# KiCad board Entrex Trapezoid Processor Board v37.kicad_pcb (continued)
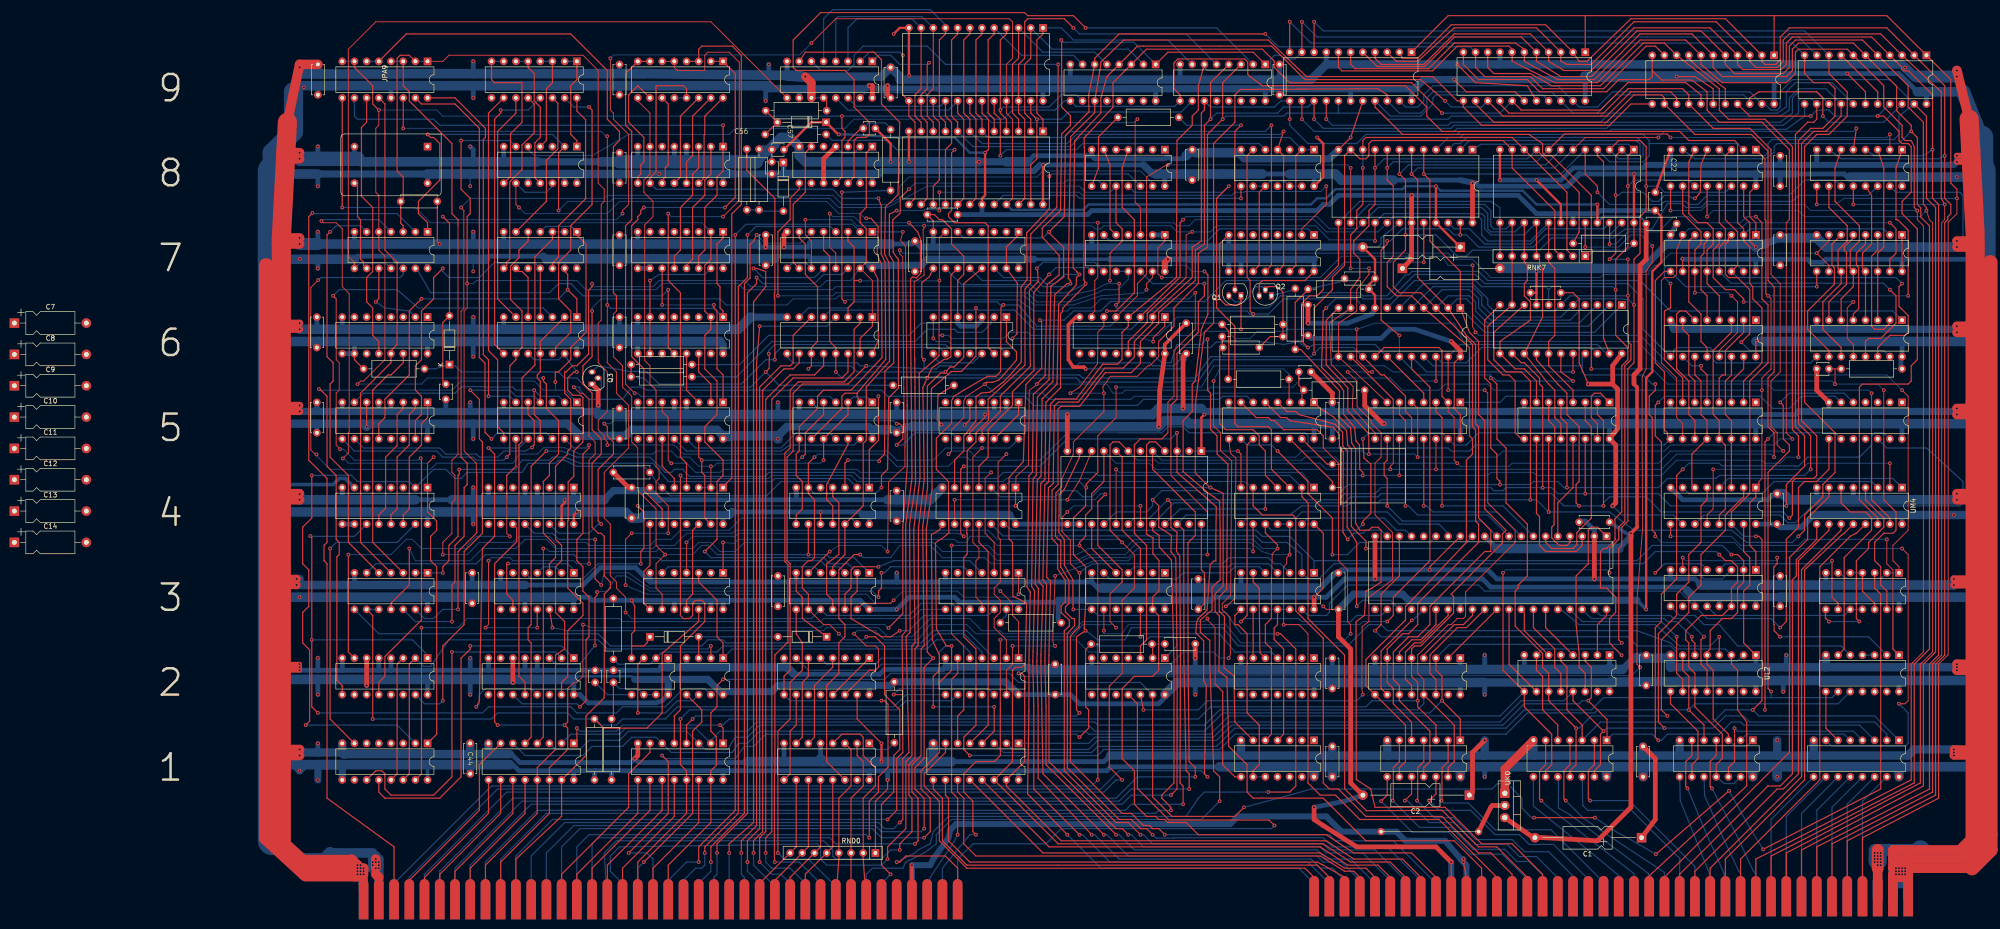
[diagram p0: board, top side]
## Routing (per net, layer and track width the routed paths; a pad name or vN(x,y) marks a point on that pad's centre or on a via; arc(x,y) is an arc through that point) (continued)
  Bottom w0.25: v1(265.82,188.28) 270.27,183.83 370.6,183.83 UM9.11 ; UF4.16 229.63,86.04 235.98,86.04 237.25,87.31 v1(237.25,88.58) 239.15,90.49 246.77,90.49 247.41,89.85 275.99,89.85 277.89,91.76 v1(309.64,91.76) 315.99,91.76 316.62,92.39 321.7,92.39 322.98,91.12 v1(323.61,91.12) 342.66,91.12 344.56,93.03 354.73,93.03 355.36,93.66 373.14,93.66 v1(374.41,94.93) ; J17.16 95.01,12.38 107.71,25.08 230.9,25.08 232.81,26.99 v1(241.06,26.99)
J17_17: length 249.2
  Top w0.2: UD6.1 178.83,134.3 UD7.15
  Top w0.25: UD6.1 178.83,124.78 176.29,122.24 UD6.15 ; UD7.15 177.56,138.11 177.56,145.1 176.29,146.37 176.29,148.27 177.56,149.54 177.56,160.97 UD8.1 ; J17.17 98.19,12.38 108.98,23.18 UB1.13 108.98,32.7 112.79,36.51 112.79,56.2 114.69,57.47 114.69,63.18 112.79,65.09 112.79,74.61 114.06,75.88 114.06,79.06 112.79,80.33 112.79,95.57 115.33,98.11 115.33,98.74 115.97,99.38 115.97,109.54 114.69,110.81 114.69,115.25 115.02,115.25 116.29,116.52 117.24,116.52 119.69,118.97 119.69,132.31 120.41,133.03 v1(120.41,133.67)
  Bottom w0.2: v1(120.41,133.67) 121.04,133.03 133.11,133.03 134.38,134.3 152.16,134.3 153.43,133.03 168.03,133.03 169.31,134.3 174.38,134.3 175.66,136.21 UD7.15
J17_18: length 613.9
  Top w0.25: UJ9.13 v1(268.37,167.96) ; v1(240.43,88.58) 241.06,87.95 241.06,82.87 242.33,81.78 242.22,77.88 242.91,76.81 243.05,54.96 242.96,29.53 243.6,28.89 v1(243.6,25.08) ; v1(369.33,87.31) 369.33,91.76 373.14,95.57 373.14,95.57 373.14,101.92 371.24,103.82 371.24,164.78 373.77,167.32 375.05,167.32 375.68,167.96 UM9.13 ; UK5.14 v1(327.42,89.85) ; UK6.13 314.08,117.16 314.72,117.16 317.89,113.98 317.89,112.71 318.53,112.08 318.53,108.27 318.55,108.25 v1(318.55,91.09)
  Bottom w0.25: J17.18 98.19,13.02 108.98,23.81 231.54,23.81 232.81,25.08 v1(243.6,25.08) ; UM9.13 374.56,172.26 372.36,172.26 371.87,171.77 371.87,169.23 368.69,166.69 332.5,166.69 331.87,166.05 300.75,166.05 300.12,165.42 270.9,165.42 v1(268.37,167.96) ; v1(369.33,87.31) 345.2,87.31 342.66,89.85 v1(327.42,89.85) 321.7,89.85 320.44,91.12 310.91,91.12 310.27,90.49 308.37,90.49 307.74,91.12 284.88,91.12 283.61,89.85 277.25,89.85 275.99,88.58 v1(240.43,88.58) 236.62,84.77 233.44,84.77 UF4.18
J17_19: length 279
  Top w0.2: v1(118.5,62.55) 118.5,51.75 117.24,50.48 116.6,50.48 115.33,49.21 ; 186.08,109.29 185.94,120.87 185.72,141.48 184.71,142.68 v1(185.18,144.46)
  Top w0.25: 186.08,109.29 186.08,108.32 186.09,108.12 186.12,95.74 185.18,82.87 185.18,64.84 v1(182.19,61.85) ; v1(100.72,41.59) 100.09,42.23 100.09,75.25 104.7,79.86 104.7,82.7 UB4.11 ; J17.19 101.36,13.02 111.52,23.18 UB1.14 111.52,32.7 115.33,36.51 115.33,40.96 v1(114.69,41.59) 115.33,42.23 115.33,49.21
  Bottom w0.2: 182,61.91 181.37,62.55 168.67,62.55 168.03,61.91 120.41,61.91 v1(118.5,62.55)
  Bottom w0.25: UD7.1 v1(185.18,144.46) ; v1(100.72,41.59) v1(114.69,41.59)
J17_20: length 628
  Top w0.25: v1(331.23,87.31) 331.23,105.09 329.96,106.36 UK5.2 ; v1(369.96,84.77) 370.6,85.41 370.6,92.39 371.24,93.03 375.05,93.03 375.68,93.66 375.68,101.92 372.5,105.09 372.5,162.88 375.05,165.42 377.58,165.42 380.76,168.59 UM9.15 ; UF4.20 237.25,82.15 237.92,81.62 238.59,81.18 238.64,78.73 241.17,75.99 241.7,54.81 241.69,29.53 239.15,26.99 239.15,26.35 241.06,24.45 v1(241.06,23.81) ; v1(326.15,87.31) 325.51,87.95 325.51,91.76 326.15,92.39 326.15,103.82 323.61,106.36 323.61,110.81 321.7,112.71 317.26,117.79 UK6.15 ; 273.44,171.77 v1(273.44,167.96)
  Bottom w0.25: v1(241.06,23.81) 238.52,23.81 237.88,23.18 110.88,23.18 101.36,13.65 J17.20 ; v1(273.44,167.96) 274.71,166.69 298.85,166.69 299.48,167.32 330.6,167.32 331.87,168.59 368.06,168.59 369.96,169.86 369.96,172.4 371.87,174.31 377.58,174.31 UM9.15 ; v1(369.96,84.77) 368.69,86.04 343.3,86.04 340.12,89.22 332.5,89.22 331.23,87.95 v1(331.23,87.31) v1(326.15,87.31) 322.98,87.31 320.44,89.85 284.88,89.85 284.24,89.22 278.52,89.22 277.25,87.95 241.69,87.95 UF4.20
J17_21: length 260.7
  Top w0.2: 237.25,136.21 237.25,134.94 235.98,133.67 v1(235.98,132.4)
  Top w0.25: J17.21 104.53,13.65 114.04,22.56 114.06,22.58 UB1.15 119.14,35.24 119.14,43.5 122.95,47.31 122.95,68.9 124.22,70.17 124.22,71.44 122.95,72.71 122.95,80.96 122.31,81.6 121.68,81.6 120.41,82.87 120.41,96.2 122.31,98.11 122.31,101.28 120.41,103.19 120.41,110.81 118.5,112.71 118.5,116.52 120.41,118.43 v1(120.41,127.95)
  Bottom w0.2: v1(235.98,132.4) 235.35,131.76 226.45,131.13 220.74,129.22 212.49,129.22 210.58,131.13 171.84,131.13 171.21,130.49 162.32,130.49 161.05,129.22 148.35,129.22 147.08,130.49 122.31,130.49 120.41,128.59 v1(120.41,127.95)
J17_22: length 474.7
  Top w0.2: UD7.13 171.21,140.02 169.94,141.29 v1(169.94,148.27) ; UF6.7 224.55,127.32 225.19,127.95 225.19,134.3 225.82,134.94 v1(225.82,146.37)
  Top w0.25: 185.18,47.94 v1(183.28,47.94) ; 185.18,47.94 185.18,35.88 183.91,34.61 183.91,23.81 v1(182,21.91) ; 185.18,47.94 185.03,60.23 185.84,61.24 185.78,83.38 187.09,93.03 186.97,107.6 186.88,116.95 186.83,120.4 186.83,120.85 186.79,134.63 187.17,135.04 187.99,134.88 188.9,135.8 188.9,135.92 188.86,136.26 188.85,141.18 188.87,143 188.29,144.42 186.5,146.37 v1(186.45,146.37) ; UK5.4 324.88,111.44 319.8,116.52 UK6.16 319.8,121.6 321.07,122.87 321.07,136.84 319.8,138.11 RNK7.4 UK8.17
  Bottom w0.2: UJ8.17 284.24,144.46 273.44,144.46 270.9,147 246.14,147 244.87,145.73 242.33,145.73 241.69,146.37 v1(225.82,146.37) v1(186.45,146.37) 176.29,146.37 175.02,147.64 170.57,147.64 v1(169.94,148.27)
  Bottom w0.25: UJ8.17 287.42,147.64 305.19,147.64 305.83,147 305.83,143.83 307.1,142.56 315.99,142.56 319.8,146.37 UK8.17 ; UE2.12 202.96,49.21 184.54,49.21 v1(183.28,47.94) ; J17.22 104.53,14.29 112.16,21.91 v1(182,21.91)
J17_24: length 479.4
  Top w0.2: 244.24,134.94 244.24,143.83 v1(245.5,144.46) ; v1(189.62,145.73) 189.62,145.22 189.4,144.93 189.62,135.47 188.28,134.46 187.55,134.09 187.65,118.3 ; UD7.11 166.13,142.56 164.86,143.83 v1(164.86,147)
  Top w0.25: UF6.13 232.17,121.6 236.12,125.56 236.12,127.46 244.24,134.94 ; v1(184.54,21.27) 185.18,21.91 185.18,34.61 186.45,35.88 185.88,59.28 185.87,60.07 186.71,60.95 186.6,83.55 187.83,92.18 187.72,112.07 187.67,117.84 187.67,118.28 ; UJ8.16 v1(283.61,142.56) ; UK5.12 322.34,104.46 321.07,105.73 321.07,111.44 319.8,112.71 UK6.14 318.53,126.68 318.53,136.84 317.89,137.48 317.89,138.75 RNK7.5 UK8.16
  Bottom w0.2: v1(283.61,142.56) 283.37,142.79 274.14,142.79 271.2,145.73 250.58,145.73 249.31,144.46 v1(245.5,144.46) 242.33,144.46 241.06,145.73 227.09,145.73 226.45,145.1 225.19,145.1 224.55,145.73 v1(189.62,145.73) 175.66,145.73 174.38,147 v1(164.86,147)
  Bottom w0.25: v1(184.54,21.27) 183.28,20 181.37,20 180.1,21.27 114.69,21.27 107.71,14.29 J17.24 ; UK8.16 314.72,143.83 307.74,143.83 306.46,145.1 306.46,147.64 305.83,148.27 285.51,148.27 UJ8.16 ; UD7.11 165.01,137.97 162.18,137.97 UD7.9
J17_26: length 452.6
  Top w0.25: v1(189.62,20) 189.62,26.35 187.72,28.26 187.72,32.7 189.62,34.61 189.62,53.66 v1(191.53,55.56) 190.26,56.83 190.07,82.41 191.28,90.82 191.11,111.18 191.19,111.8 195.21,115.25 195.3,115.34 197.41,115.34 198.51,116.52 200.42,118.54 v1(200.42,128.59) ; UK8.15 RNK7.6 314.72,138.11 315.36,137.48 315.36,134.3 314.72,133.67 314.72,131.13 315.99,129.86 315.99,126.05 309.64,121.6 UK6.12 312.81,115.89 314.72,115.89 317.26,113.35 UK5.7 ; UF6.3 234.71,126.82 235.91,128.02 235.95,128.02 242.96,135.03 242.96,146.37 v1(243.6,147)
  Bottom w0.2: v1(243.6,147) 244.24,147.64 271.54,147.64 274.08,145.1 279.8,145.1 UJ8.15
  Bottom w0.25: UD2.5 169.31,54.29 179.47,54.29 180.74,55.56 v1(191.53,55.56) ; UJ8.15 284.24,149.54 305.83,149.54 307.1,148.27 307.1,145.1 307.74,144.46 312.81,144.46 UK8.15 ; UD6.5 170.12,128.14 199.97,128.14 v1(200.42,128.59) 200.87,128.14 208.49,128.14 212.49,124.14 232.81,124.14 234.71,126.05 UF6.3 ; J17.26 110.88,14.92 116.6,20.64 179.47,20.64 180.74,19.37 188.99,19.37 v1(189.62,20)
J17_27: length 40.6
  Top w0.25: J17.27 114.06,10.48 128.03,24.45 128.03,31.43 132.47,35.88 UC1.7
J17_28: length 502.4
  Top w0.2: v1(278.52,157.8) 278.52,146.37 ; v1(240.43,158.43) 240.14,158.43 235.98,155.89 235.98,135.57 234.07,133.67 234.07,131.13 UF6.5
  Top w0.25: 194.71,84.78 194.71,92.39 192.16,94.93 192.16,101.41 195.34,104.58 195.34,109.22 195.79,110.14 197.88,111.44 202.88,114.36 204.56,114.31 205.55,115.28 205.65,128.73 v1(206.13,129.22) ; UK5.9 314.08,101.28 312.81,102.55 312.81,113.35 311.55,114.62 310.27,114.62 307.1,117.79 307.1,124.78 UK6.10 RNK7.7 UK8.14 ; v1(189.62,18.1) 190.9,19.37 190.9,26.35 188.99,28.26 188.99,32.07 192.8,35.88 192.8,50.48 195.34,53.02 v1(195.34,58.1) 194.26,58.1 192.18,61.64 191.98,79.6 192.62,80.09 193.14,80.35 194.8,81.64 194.69,84.77
  Bottom w0.2: v1(240.43,158.43) 277.89,158.43 v1(278.52,157.8)
  Bottom w0.25: 278.52,146.37 282.33,150.18 306.46,150.18 307.74,148.91 307.74,145.73 308.37,145.1 310.91,145.1 UK8.14 ; v1(195.34,58.1) 194.07,58.1 192.8,56.83 192.8,54.29 180.74,54.29 179.47,53.02 165.5,53.02 162.96,55.56 ; v1(189.62,18.1) 180.74,18.1 178.83,20 117.87,20 114.06,16.19 J17.28 ; UD6.7 165.5,128.59 173.75,128.59 175.02,129.86 204.87,129.86 205.5,129.22 v1(206.13,129.22) 209.31,129.22 212.49,125.41 213.12,124.78 228.36,124.78 229.63,126.05 UF6.5
J17_29: length 30.7
  Top w0.25: J17.29 117.24,10.48 129.94,23.18 UC1.9
J17_30: length 452.3
  Top w0.25: v1(189.62,117.79) 189.62,117.8 189.13,118.29 189.13,133.86 190.72,135.09 UE7.9 ; UJ5.4 293.76,110.81 UJ6.16 ; UD2.9 160.41,51.75 161.69,53.02 161.69,75.25 161.05,75.88 161.05,97.47 162.32,98.74 162.32,110.81 164.22,112.71 173.75,112.71 v1(177.56,116.52) ; UK8.13 RNK7.8 ; v1(178.19,18.1) 178.19,25.72 180.1,27.62 180.1,30.8 182.09,32.79 182.09,45.95 181.37,46.67 v1(180.74,46.67) ; v1(269.63,120.33) 268.37,121.6 268.37,129.54 269.95,131.13 271.54,131.13 272.81,132.4 272.81,134.3 275.99,137.48 UJ8.13
  Bottom w0.25: UJ8.13 280.43,150.81 307.74,150.81 309.64,149.54 UK8.13 ; UD2.9 161.69,46.67 v1(180.74,46.67) ; UJ6.16 283.61,120.97 270.9,120.97 v1(269.63,120.33) 268.37,120.97 267.73,121.6 264.56,120.97 260.64,121.49 250.48,121.49 249.31,120.33 243.6,120.33 242.96,119.7 242.96,117.79 241.69,116.52 237.25,116.52 236.62,117.16 222.01,117.16 220.74,115.89 195.97,115.89 195.34,116.52 192.8,116.52 192.16,115.89 189.62,115.89 v1(189.62,117.79) ; 190.26,115.89 v1(177.56,116.52) 176.29,116.52 175.66,117.16 162.32,117.16 161.05,118.43 UD6.9 ; J17.30 117.24,16.19 119.78,18.73 177.56,18.73 v1(178.19,18.1)
J17_31: length 30.4
  Top w0.25: UC1.10 132.47,23.81 120.41,11.75 J17.31
J17_32: length 492
  Top w0.25: RNK7.3 321.07,140.65 321.07,148.91 312.18,157.8 UK8.11 310.27,163.51 282.97,163.51 282.33,162.88 282.33,160.34 281.7,159.7 280.43,159.7 278.52,161.61 277.25,160.34 277.25,137.48 274.71,134.94 274.71,132.4 270.9,128.59 v1(270.9,119.06) ; UJ6.14 284.88,114.62 285.51,114.62 289.95,110.17 289.95,107 291.23,105.73 UJ5.12 ; UD7.7 163.59,143.19 164.86,141.92 164.86,135.57 167.4,133.03 167.4,121.6 166.13,120.33 UD6.11 166.13,116.52 v1(165.5,115.89) ; UE7.13 197.88,133.67 197.88,118.29 195.9,116.31 195.09,116.27 v1(194.07,115.25) 193.82,115 193.06,115.02 190.29,112.29 190.33,91.1 189.32,82.97 189.62,58.1 188.99,57.47 188.99,35.24 187.09,33.34 187.09,27.62 188.35,26.35 188.35,17.46 v1(187.72,16.83)
  Bottom w0.25: v1(165.5,115.89) 166.13,116.52 174.38,116.52 175.66,115.25 v1(194.07,115.25) 194.71,114.62 222.01,114.62 222.64,113.98 246.14,113.98 249.31,118.43 270.27,118.43 v1(270.9,119.06) 272.18,120.33 279.16,120.33 UJ6.14 ; v1(187.72,16.83) 171.21,16.83 169.94,18.1 121.68,18.1 120.41,16.83 J17.32
J17_33: length 30.1
  Top w0.25: UC1.11 135.01,23.81 123.59,12.38 J17.33
J17_34: length 469.6
  Top w0.2: UJ5.7 UJ6.12 275.99,125.41 279.8,127.95 279.8,132.4 282.33,135.57 v1(282.33,136.84)
  Top w0.25: UE7.11 195.21,135.44 195.21,127.32 195.19,120.01 195.19,118.44 194.47,117.94 193.76,117.85 191.25,116.1 v1(190.26,113.98) 189.8,112.95 189.36,111.99 189.64,92.76 188.45,82.73 188.35,58.1 187.72,57.47 187.72,34.61 186.45,33.34 186.45,26.99 187.09,26.35 187.09,19.37 184.54,16.83 v1(184.54,15.56) ; UD7.5 168.67,140.65 169.94,139.38 169.94,121.6 171.21,120.33 UD6.13 v1(171.21,115.25) ; RNK7.2 323.61,140.65 323.61,152.72 UK8.10 312.18,164.15 281.7,164.15 281.06,163.51 UJ8.10 ; v1(278.52,136.84) 278.52,143.83 279.8,145.1 279.8,148.91 281.06,150.18 v1(281.06,157.8)
  Bottom w0.2: v1(278.52,136.84) v1(282.33,136.84)
  Bottom w0.25: UJ6.12 275.35,118.43 274.71,117.79 249.95,117.79 246.77,113.35 241.69,113.35 241.49,113.14 222.01,113.14 222.01,113.35 221.38,113.98 v1(190.26,113.98) 172.48,113.98 v1(171.21,115.25) ; v1(184.54,15.56) 182.64,15.56 180.74,13.65 171.21,13.65 170.57,14.29 170.57,15.56 168.67,17.46 125.49,17.46 122.95,14.92 J17.34 ; UJ8.10 v1(281.06,157.8)
J17_35: length 29.9
  Top w0.25: J17.35 126.76,11.75 137.56,22.54 UC1.12
J17_36: length 462.5
  Top w0.2: 192.74,122.87 192.74,134.24 v1(192.8,134.3) 192.8,143.19 UE7.7 ; 192.74,122.87 192.74,118.72 ; 192.74,122.87 v1(193.44,122.87) ; UJ6.10 274.08,125.41 274.49,116.82 276.44,114.78 279.06,112.16 278.88,107.66 282.7,103.47 283.61,102.57 UJ5.9
  Top w0.25: R13.1 326.15,144.46 326.15,152.72 UK8.9 ; 192.74,118.72 192.74,118.67 191.87,117.8 188.59,114.98 188.76,93.24 187.46,82.41 187.72,58.74 187.09,58.1 187.09,35.24 185.81,33.97 185.81,20 182,16.19 v1(182,13.65) ; 175.02,134.3 v1(176.29,134.3) ; 175.02,134.3 175.02,129.86 173.75,128.59 UD6.3 ; 175.02,134.3 175.02,141.29 173.75,142.56 UD7.3 ; UJ8.9 v1(283.61,157.8) 283.61,150.18 282.33,148.91 282.33,145.73 279.16,142.56 279.16,140.02 280.43,138.75 280.43,134.94 278.52,132.4 UJ6.10
  Bottom w0.2: 176.46,134.24 192.74,134.24 v1(192.8,134.3) ; v1(193.44,122.87) 194.71,122.87 195.34,122.24 206.13,122.24 207.41,123.51 211.21,123.51 211.85,122.87 238.52,122.87 242.33,126.68 248.68,126.68 248.75,126.62 276.56,126.62 UJ6.10
  Bottom w0.25: v1(283.61,157.8) 285.51,159.7 315.36,159.7 UK8.9 ; J17.36 126.76,8.57 124.22,11.11 124.22,14.29 126.12,16.19 167.4,16.82 167.41,16.82 168.03,16.19 168.03,13.65 169.31,12.38 180.74,12.38 v1(182,13.65)
J17_37: length 102.7
  Top w0.25: J17.37 129.94,13.02 140.09,23.18 UC1.13 140.09,32.07 138.82,33.34 v1(138.82,42.86)
  Bottom w0.25: v1(138.82,42.86) 140.73,44.77 183.91,44.77 185.81,46.67 195.34,46.67 UE2.9
J17_38: length 50.7
  Top w0.25: v1(131.21,13.02) 141.37,23.18 141.37,31.43 ; 141.37,30.8 141.37,40.32 143.27,42.23 143.27,44.77 UC2B1.5
  Bottom w0.25: v1(131.21,13.02) 129.94,11.75 J17.38
J17_39: length 29.3
  Top w0.25: J17.39 133.11,11.75 142.63,21.27 UC1.14
J17_40: length 173.5
  Top w0.25: v1(128.03,14.92) 136.28,23.18 136.28,33.97 v1(135.01,35.24) ; R17.1 223.28,57.34 223.28,45.4 223.92,44.77 223.92,40.96 v1(222.01,39.05)
  Bottom w0.25: v1(135.01,35.24) 135.65,34.61 150.25,34.61 152.16,37.15 154.06,37.15 156.6,39.69 221.38,39.69 v1(222.01,39.05) ; v1(128.03,14.92) 131.84,14.92 133.11,13.65 J17.40 ; R17.1 224.8,58.1 234.71,58.1 236.62,60.01 241.69,60.01 242.33,59.37 242.33,58.1 UF2.1
J17_41: length 388
  Top w0.25: 136.28,4.76 136.28,12.38 145.18,21.27 UC1.15 145.18,32.07 146.3,33.19 146.3,39.2 145.18,40.32 145.18,44.13 146.44,45.4 146.44,49.85 v1(147.72,51.12) ; v1(256.3,24.45) 254.39,22.54 241.3,22.54 237.25,26.6 UF2.13 ; 389.01,56.2 389.01,28.26 v1(364.5,15.68) ; v1(316.75,22.29) v1(329.45,22.29) ; v1(342.15,14.67) v1(357.39,27.88) ; 389.01,55.56 389.01,68.9 387.75,70.17 UM3.3
  Bottom w0.25: v1(342.15,14.67) 335.04,18.73 334.02,19.24 v1(329.45,22.29) ; v1(256.3,24.45) 265.82,26.99 270.27,28.26 307.99,28.26 309.13,29.4 311.16,29.4 314.21,26.35 314.21,24.32 316.24,22.29 v1(316.75,22.29) ; v1(364.5,15.68) 361.96,19.75 v1(357.39,27.88) ; UF2.13 234.71,50.48 209.31,50.48 207.41,52.39 182.64,52.39 181.37,51.12 v1(147.72,51.12)
J17_42: length 173.9
  Top w0.25: v1(142.63,13.02) 142.63,16.19 150.25,23.81 v1(150.25,143.83)
  Bottom w0.25: v1(150.25,143.83) 152.47,146.04 174.72,146.04 UD7.2 ; 136.28,4.76 136.28,9.21 140.09,13.02 v1(142.63,13.02)
J17_44: length 164.9
  Top w0.25: v1(143.91,14.92) 143.91,16.19 150.89,23.18 150.89,133.03 152.79,134.94 v1(152.79,143.83)
  Bottom w0.25: v1(143.91,14.92) 143.91,12.38 143.27,11.75 142,11.75 139.46,9.21 J17.44 ; UD7.4 170.09,145.59 154.56,145.59 v1(152.79,143.83)
J17_46: length 157.1
  Top w0.25: v1(154.7,143.83) 154.06,142.56 153.34,141.83 153.34,134.85 152.16,133.67 152.16,23.18 145.18,16.19 v1(145.18,13.02)
  Bottom w0.2: v1(154.7,143.83) 156.41,142.11 163.78,142.11
  Bottom w0.25: J17.46 142.63,8.57 145.18,11.11 v1(145.18,13.02) ; UD7.6 163.78,142.11
J17_48: length 154.7
  Top w0.25: v1(154.7,134.94) 154.7,133.67 152.79,131.76 152.79,23.18 146.44,16.83 v1(146.44,14.92)
  Bottom w0.25: J17.48 145.81,9.84 146.44,10.48 v1(146.44,14.92) ; UD7.14 172.48,135.57 168.67,135.57 166.76,133.67 155.97,133.67 v1(154.7,134.94)
J17_50: length 153.5
  Top w0.25: v1(148.99,14.92) 148.99,16.83 154.06,21.27 154.06,129.86 156.6,133.03 156.6,136.21 154.7,136.84 v1(154.06,136.84)
  Bottom w0.25: v1(154.06,136.84) 155.97,134.94 166.76,134.94 UD7.12 ; J17.50 v1(148.99,14.92)
J17_52: length 138.3
  Top w0.25: v1(155.34,124.78) 154.7,117.16 154.7,20.64 151.53,17.46 v1(151.53,14.92)
  Bottom w0.25: v1(155.34,124.78) 169.31,124.78 UD6.4 ; J17.52 152.16,9.84 151.53,10.48 v1(151.53,14.92)
J17_53: length 28.6
  Top w0.25: J17.53 155.34,8.57 RND0.8 162.96,16.19 162.96,30.16
J17_54: length 129.6
  Top w0.25: UD6.6 162.32,122.87 162.32,117.16 161.69,116.52 159.78,116.52 155.34,112.08 155.34,20 152.79,17.46 v1(152.79,13.02)
  Bottom w0.25: J17.54 155.34,8.57 152.79,11.11 v1(152.79,13.02)
J17_55: length 28.3
  Top w0.25: J17.55 158.51,9.21 RND0.7 165.5,16.19 UD1.11
J17_56: length 121.2
  Top w0.25: UD6.10 163.59,117.16 162.32,115.89 160.41,115.89 155.97,111.44 155.97,19.37 154.06,17.46 v1(154.06,14.92)
  Bottom w0.25: J17.56 158.51,7.94 154.06,12.38 v1(154.06,14.92)
J17_57: length 28
  Top w0.25: UD1.12 168.03,16.19 161.69,9.84 J17.57
J17_58: length 126.5
  Top w0.25: v1(155.34,13.02) 155.34,18.1 156.6,19.37 156.6,109.54 161.69,114.62 166.76,114.62 168.67,116.52 UD6.12
  Bottom w0.25: v1(155.34,13.02) 157.88,10.48 159.78,10.48 161.69,8.57 J17.58
J17_59: length 27.8
  Top w0.25: UD1.13 170.57,16.19 RND0.5 164.86,10.48 J17.59
J17_60: length 133
  Top w0.25: v1(156.6,14.92) 156.6,18.1 157.88,19.37 157.88,109.54 162.32,113.98 172.48,113.98 173.75,115.25 UD6.14
  Bottom w0.25: J17.60 164.86,8.57 161.69,11.75 157.88,11.75 156.6,13.02 v1(156.6,14.92)
J17_62: length 142.5
  Top w0.25: v1(158.51,13.02) 158.42,13.11 158.42,31.34 158.51,31.43 158.51,56.2 161.05,58.74 161.24,58.74 161.24,75.06 160.6,75.7 160.6,98.29 161.69,99.38 161.69,111.44 163.41,113.16 172.93,113.16 175.02,115.25 175.02,124.14 176.29,125.41 UD6.2
  Bottom w0.25: J17.62 168.03,8.57 163.59,13.02 v1(158.51,13.02)
J17_63: length 34.6
  Top w0.25: J17.63 171.84,13.65 RND0.4 171.84,26.35 174.38,28.89 174.38,36.51 173.12,37.78
J17_64: length 71.4
  Top w0.25: 162.96,65.72 162.96,60.64 164.22,58.74 164.22,53.02 161.69,50.48 161.69,42.86 159.15,40.32 v1(159.15,14.92)
  Bottom w0.25: J17.64 171.21,7.94 165.5,13.65 160.41,13.65 v1(159.15,14.92)
J17_65: length 34.6
  Top w0.25: UD1.2 175.66,35.24 176.93,33.97 176.93,28.89 174.38,26.35 RND0.3 J17.65
J17_67: length 43.8
  Top w0.25: UD1.4 172.48,39.69 176.29,39.69 176.93,39.05 176.93,35.24 179.47,32.7 179.47,28.89 176.93,26.35 RND0.2 176.93,13.65 J17.67
J17_68: length 438.1
  Top w0.2: v1(228.36,134.3) 228.36,140.02 230.26,141.92
  Top w0.25: v1(86.12,164.78) 86.75,164.15 87.39,164.15 88.66,162.88 88.66,155.26 84.22,150.81 84.22,148.27 86.12,146.37 UA7.1 ; v1(113.43,148.91) 113.43,160.97 UB8.2 ; v1(248.05,136.21) 248.77,135.48 248.77,127.32 247.41,124.14 246.14,113.35 245.5,112.71 245.5,107 243.6,105.09 243.6,94.43 243.64,94.43 248.99,89.86 250.02,89.16 251.22,88.27 251.34,81.68 251.32,71.84 251,71.52 250.86,71.52 249.64,70.3 249.64,65.57 248.59,64.72 247.2,63.51 247.2,60.97 248.2,60.03 249.17,59.26 249.17,54.1 249.95,33.34 249.95,32.07 251.22,30.8 v1(251.22,25.72) ; 230.26,141.92 230.9,142.56 230.9,145.1 229.63,146.37 UF8.10
  Bottom w0.2: v1(228.36,134.3) 228.36,136.84 229,137.48 244.24,137.48 245.5,136.21 v1(248.05,136.21) ; v1(113.43,148.91) 115.33,150.81 124.22,150.81 124.85,151.45 169.94,151.45 171.84,149.54 182,149.54 190.26,153.99 222.01,153.99 223.28,152.72 228.36,152.72
  Bottom w0.25: v1(251.22,25.72) 247.41,21.91 195.34,21.91 192.16,18.73 192.16,16.83 189.62,14.92 185.81,13.02 185.18,11.75 178.83,11.75 177.56,10.48 J17.68 ; UF8.10 228.36,152.72 ; UB8.2 112.16,164.78 v1(86.12,164.78)
J17_70: length 423.7
  Top w0.2: UD3.9 168.67,62.55 169.94,62.55 v1(171.84,60.64)
  Top w0.25: v1(182.64,10.48) 180.74,12.38 180.74,25.08 183.28,27.62 183.28,35.24 184.54,36.51 184.54,44.77 181.37,47.94 181.37,58.1 179.47,60.01 v1(177.56,60.01) ; v1(166.76,97.47) 165.5,96.2 UD4.6 165.5,89.85 166.76,88.58 166.76,76.52 166.13,75.88 165.5,75.88 164.22,74.61 164.22,70.17 165.5,68.9 UD3.9 ; v1(186.45,153.35) 184.63,151.54 184.63,148.36 183.07,146.95 183.19,140.16 183.85,139.22 184.25,138.76 184.23,133.57 184.28,111.92 182.24,109.83 182,94.93 180.74,93.66 v1(180.74,91.12)
  Bottom w0.2: v1(166.76,97.47) 167.4,98.11 181.37,98.11 183.91,95.57 194.71,95.57 196.61,97.47 198.51,97.47 199.15,96.84 213.75,96.84 219.47,102.55 230.26,102.55 ; v1(177.56,60.01) 176.93,59.37 173.12,59.37 v1(171.84,60.64) ; 226.31,154.77 225.82,155.26 219.47,155.26 218.83,154.62 187.72,154.62 v1(186.45,153.35)
  Bottom w0.25: J17.70 180.74,8.57 v1(182.64,10.48) ; UF8.9 226.31,154.77 ; UD4.6 166.76,89.85 179.47,89.85 v1(180.74,91.12) ; 345.19,101.27 343.93,100.02 343.93,100.01 304.56,100.01 303.29,98.74 299.48,98.74 298.85,99.38 270.27,99.38 269.63,100.01 269.63,101.92 269,102.55 244.87,102.55 243.6,103.82 240.43,103.82 239.15,102.55 230.26,102.55
J17_76: length 53.6
  Top w0.25: UE2.6 196.61,52.39 195.34,51.12 195.34,27.62 196.61,26.35 v1(196.61,18.73)
  Bottom w0.25: v1(196.61,18.73) 195.97,17.46 190.9,9.84 J17.76
J17_78: length 201.4
  Top w0.2: v1(205.5,59.37) 205.5,49.21 ; v1(253.12,55.56) 253.47,56.36 253.37,64.1 251.76,65.65 251.76,66.92 253.51,68.65 253.73,96.7 253.22,97.18 251.36,98.86 251.43,102.52 249.95,104 v1(249.95,113.35)
  Top w0.25: v1(200.42,18.73) 199.78,19.37 199.78,25.72 197.88,27.62 197.88,31.43 200.42,33.97 204.23,33.97 205.5,35.24 205.5,49.21 ; R3.2 265.7,109.03 UH5.3
  Bottom w0.2: v1(253.12,55.56) 251.22,55.56 249.95,56.83 243.6,56.83 241.06,54.29 226.45,54.29 225.82,54.93 225.82,56.83 223.92,56.83 221.38,59.37 v1(205.5,59.37) ; 265.61,114.83 264.56,115.89 251.22,115.89 v1(249.95,113.35)
  Bottom w0.25: v1(200.42,18.73) 199.15,18.73 193.44,11.75 J17.78 ; R3.2 265.7,114.74 265.61,114.83
J17_79: length 226.2
  Top w0.25: J17.79 196.61,11.75 194.07,14.29 185.81,14.29 184.54,13.02 v1(183.91,13.02) ; v1(263.29,60.64) 263.92,60.64 267.1,57.47 267.1,28.89 265.82,27.62 v1(261.38,27.62) ; v1(220.74,65.72) 220.65,65.81 220.65,66.77 220.63,71.92 218.87,74.91 218.83,80.33 217.69,81.77 217.73,85.31 217.79,89.58 218.87,90.81 222.01,97.47 UF4.11
  Bottom w0.25: v1(183.91,13.02) 187.72,14.92 188.35,15.56 190.9,16.83 191.53,19.37 194.71,22.54 244.24,22.54 246.77,26.35 248.05,27.62 v1(261.38,27.62) ; v1(263.29,60.64) 255.67,60.64 252.49,65.09 248.05,65.09 247.41,64.45 225.82,64.45 UF3.8 v1(220.74,65.72)
J17_80: length 130
  Top w0.25: UF2.11 234.07,46.04 234.07,28.38 240.67,21.78 261.5,21.78 v1(262.65,20.64)
  Bottom w0.25: v1(262.65,20.64) 262.01,20 218.2,20 215.02,16.83 199.78,16.83 196.61,13.65 J17.80
J18_1: length 109.2
  Top w0.25: UE1.7 194.07,35.88 189.63,31.43 189.63,28.89 192.8,25.72 192.8,17.46 198.51,11.75 269,11.75 270.9,9.84 J18.1
J18_2: length 384.2
  Top w0.25: UL9.10 342.02,183.2 340.12,183.2 331.23,174.31 318.53,174.31 315.99,176.85 306.46,176.85 304.56,178.75 UK9.10 ; v1(219.47,18.73) 211.19,27.24 211.46,44.49 211.48,55.2 211.52,57.38 211.74,69.35 211.39,69.89 211.07,70.39 211.09,71.26 211.47,93.61 212.19,94.33 212.19,95.38 212.24,97.64 212.38,110.57 215.16,113.15 215.66,113.66 215.66,114.45 216.04,133.11 217.48,134.17 218.75,135.09 218.7,135.14 218.7,141.22 215.66,144.26 v1(215.66,144.46) 218.85,147.65 219.08,164.58 223.25,168.75 223.52,169.04 223.98,169.44 223.92,173.04 UF9.6 225.19,180.66 230.26,185.74 v1(260.75,185.74)
  Bottom w0.25: v1(215.66,144.46) 214.39,143.19 197.88,143.19 UE7.6 ; UK9.10 303.44,183.05 263.43,183.05 v1(260.75,185.74) ; J18.2 270.9,8.57 267.73,11.75 226.45,11.75 v1(219.47,18.73)
J18_3: length 101.7
  Top w0.25: UE1.9 191.53,28.26 193.44,26.35 193.44,17.46 198.51,12.38 271.54,12.38 274.08,9.84 J18.3
J18_4: length 380
  Top w0.25: v1(222.01,18.73) 212.49,28.26 212.49,45.4 212.27,54.9 212.33,56.9 212.65,69.58 212.61,69.62 212.03,70.49 212.33,93 213,93.67 213,94.93 213.01,95.97 213.23,110.01 216.47,113.25 216.51,115.09 216.76,129.02 216.86,131.37 219.44,133.67 v1(220.11,133.67) 220.11,134.33 219.67,134.76 219.72,137.91 220.15,164.3 225.19,169.34 UF9.11 226.45,179.39 226.45,179.87 231.21,184.47 261.38,184.47 262.01,183.83 269.32,176.85 295.67,176.85 300.75,171.77 UK9.12 302.02,170.5 305.83,166.69 332.5,166.69 336.94,171.13 UL9.12
  Bottom w0.25: J18.4 274.08,8.57 269.63,13.02 228.36,13.02 222.64,18.73 v1(222.01,18.73) ; v1(220.11,133.67) 219.47,133.03 214.39,133.03 213.12,134.3 201.69,134.3 UE7.12
J18_5: length 111.5
  Top w0.25: 277.25,9.84 272.81,12.38 271.54,13.02 199.15,13.02 194.71,17.46 194.71,26.35 194.07,26.99 194.07,27.62 UE1.10 ; 277.25,9.84 J18.5 ; 277.25,9.84 J18.5 ; 277.25,9.84 J18.5
J18_6: length 381.6
  Top w0.25: UK9.14 310.27,168.59 331.87,168.59 336.94,173.67 345.2,173.67 346.47,172.4 UL9.14 ; v1(298.21,171.77) 293.13,176.21 269,176.21 262.01,183.2 234.07,183.2 UF9.4 227.73,176.85 226.45,172.4 226.45,169.25 226.45,169.25 221.57,164.07 221,163.48 220.68,138.92 220.69,136.94 221.46,136.17 221.46,136.12 v1(222.01,135.57) 221.34,134.9 221.34,133.41 217.66,129.35 217.65,128.96 217.36,114.29 217.32,112.71 214.34,109.73 214.21,109.73 214.06,96.84 214,94.54 214,93.52 213.21,92.73 212.76,71.01 213.46,70.06 213.18,56.53 213.12,54.83 213.38,45.49 213.39,30.52 v1(224.55,18.73)
  Bottom w0.25: v1(222.01,135.57) 218.83,135.57 216.93,133.67 215.02,133.67 213.75,134.94 206.13,134.94 UE7.14 ; v1(224.55,18.73) 225.19,18.73 230.26,13.65 270.27,13.65 272.18,11.75 274.71,11.75 277.25,9.21 J18.6 ; UK9.14 305.83,170.5 299.48,170.5 v1(298.21,171.77)
J18_7: length 103.3
  Top w0.25: UE1.11 196.61,27.62 197.88,26.35 197.88,16.83 200.42,14.29 272.18,14.29 277.25,11.11 279.16,11.11 280.43,9.84 J18.7
J18_8: length 400.3
  Top w0.25: 213.96,54.9 213.98,56.29 214.09,60.09 214.41,70.55 214.36,70.59 213.55,71.49 213.94,92 214.39,92.41 214.81,92.81 214.81,94.06 214.81,94.06 214.86,97.29 215.01,108.92 215.03,108.92 218.07,111.96 218.07,127.42 218.48,127.83 218.52,128.55 223.28,133.41 v1(223.28,133.67) 222.91,134.49 223.05,162.02 222.99,162.08 222.99,164.09 223.34,164.44 224.44,165.61 229,170.46 229,175.58 UF9.3 235.98,182.56 260.11,182.56 262.58,180.09 262.58,178.82 265.82,175.58 291.23,175.58 v1(297.57,169.23) ; 213.96,54.93 214.15,44.86 214.39,31.43 v1(227.09,18.73) ; UL9.16 351.55,173.04 348.38,175.58 336.31,175.58 330.6,169.86 314.08,169.86 UK9.16
  Bottom w0.25: J18.8 280.43,9.21 276.62,13.02 272.81,13.02 271.54,14.29 232.17,14.29 227.73,18.73 v1(227.09,18.73) ; v1(223.28,133.67) 219.47,131.76 213.75,131.76 211.85,133.46 197.46,133.46 UE7.10 ; UK9.16 309.64,169.23 v1(297.57,169.23)
